# KiCad board Si5351ABreakout_panel.kicad_pcb (continued)
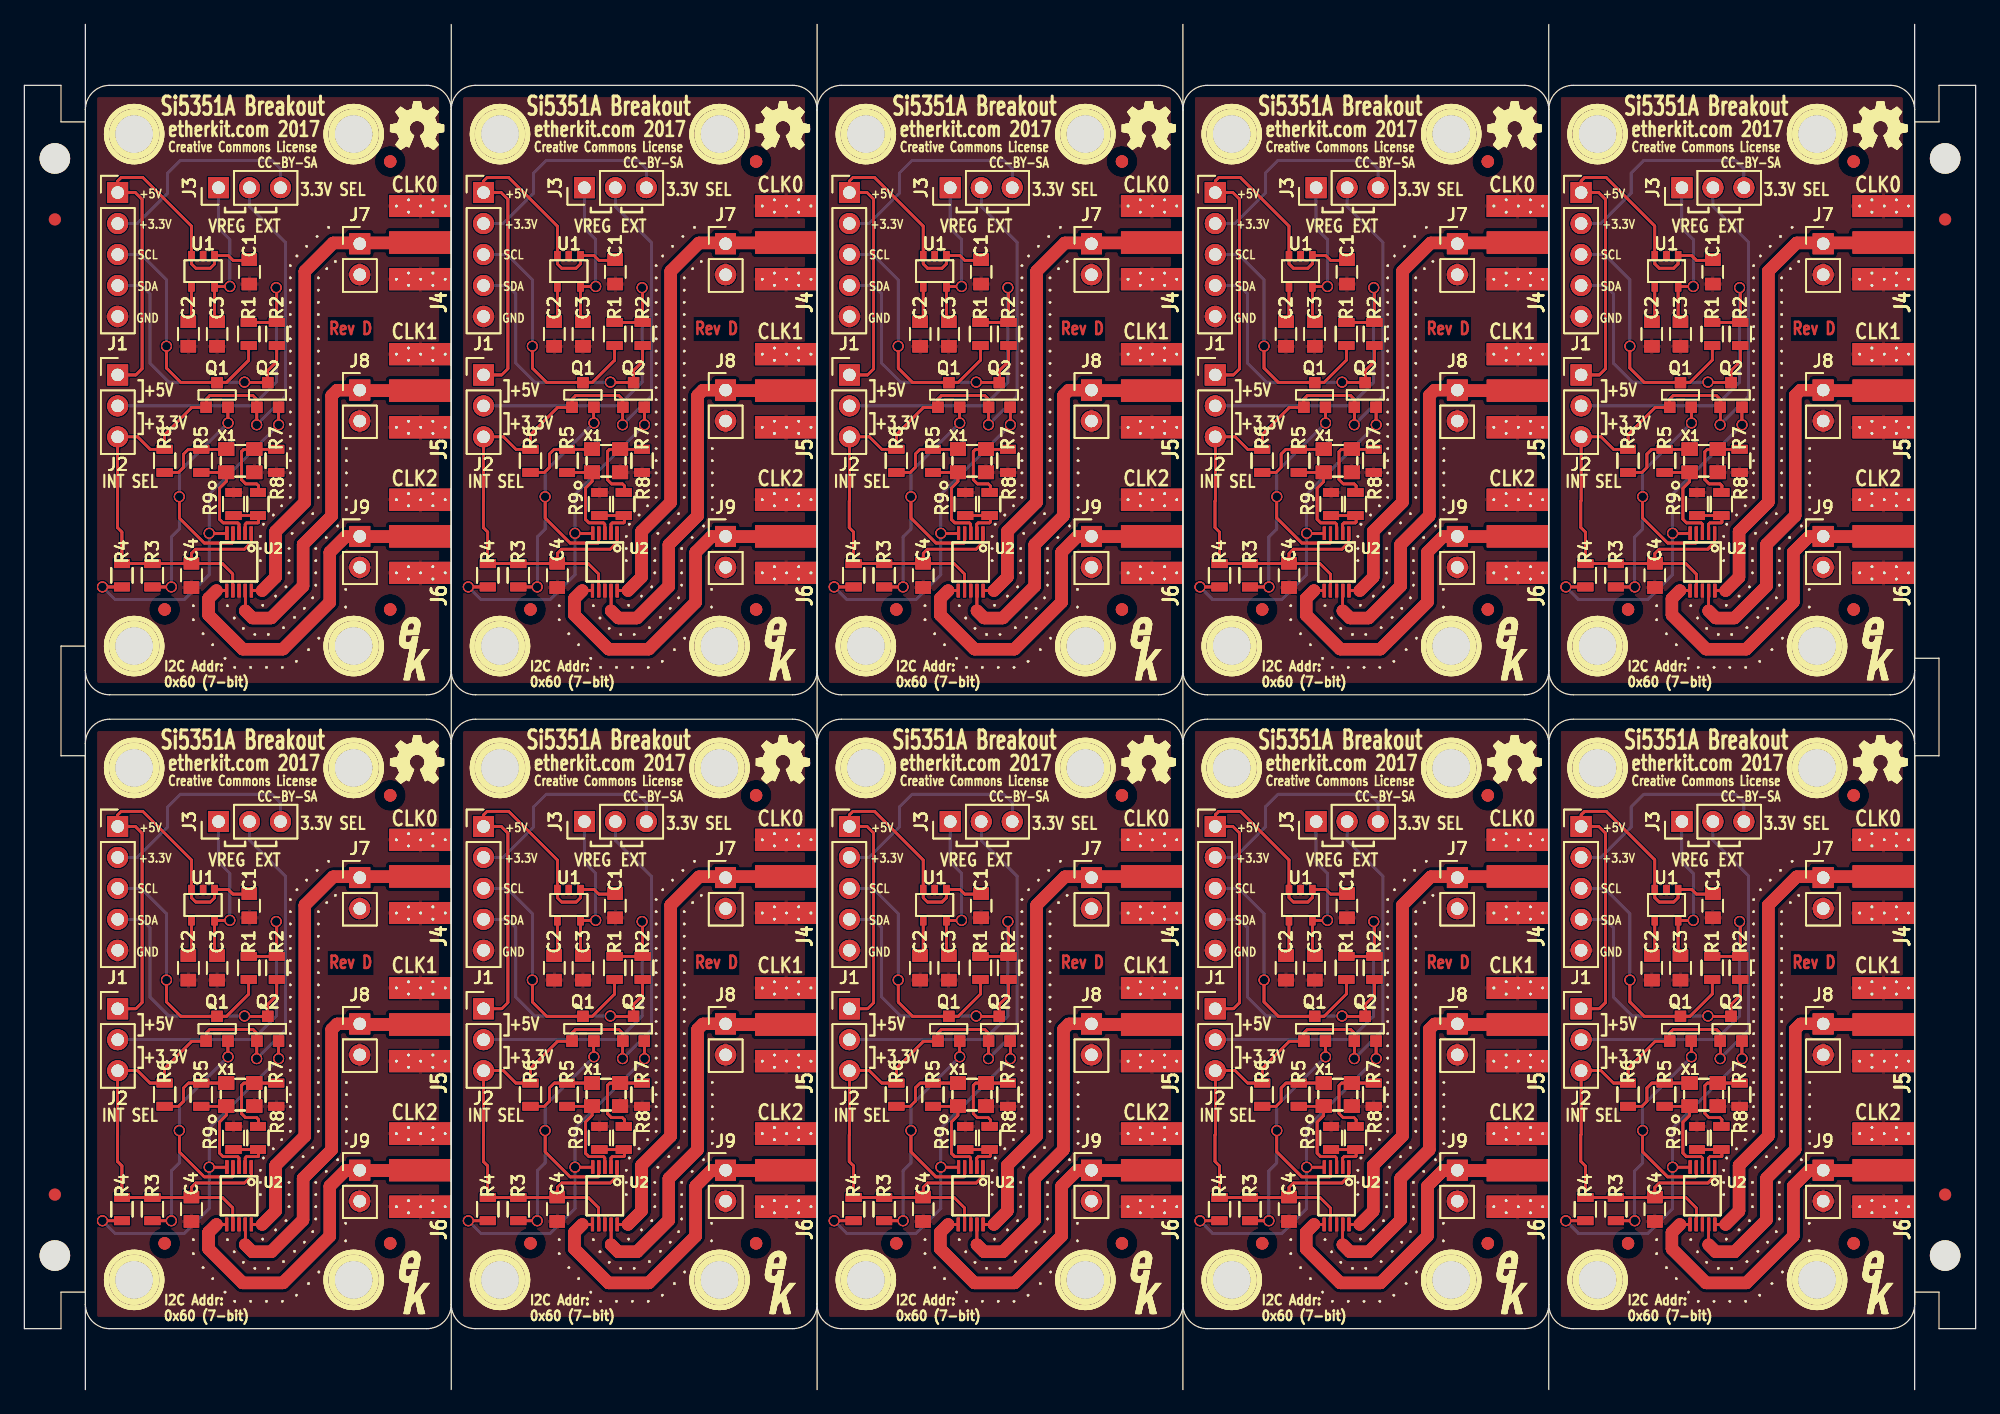
[diagram p0: board, top side]
## Nets (continued)
GND: 1PIN.1 1PIN#2.1 1PIN#3.1 1PIN#4.1 1PIN#5.1 1PIN#6.1 1PIN#7.1 1PIN#8.1 1PIN#9.1 1PIN#10.1 1PIN#11.1 1PIN#12.1 1PIN#13.1 1PIN#14.1 1PIN#15.1 1PIN#16.1 1PIN#17.1 1PIN#18.1 1PIN#19.1 1PIN#20.1 1PIN#21.1 1PIN#22.1 1PIN#23.1 1PIN#24.1 1PIN#25.1 1PIN#26.1 1PIN#27.1 1PIN#28.1 1PIN#29.1 1PIN#30.1 1PIN#31.1 1PIN#32.1 1PIN#33.1 1PIN#34.1 1PIN#35.1 1PIN#36.1 1PIN#37.1 1PIN#38.1 1PIN#39.1 1PIN#40.1 1PIN#41.1 1PIN#42.1 1PIN#43.1 1PIN#44.1 1PIN#45.1 1PIN#46.1 1PIN#47.1 1PIN#48.1 1PIN#49.1 1PIN#50.1 1PIN#51.1 1PIN#52.1 1PIN#53.1 1PIN#54.1 1PIN#55.1 1PIN#56.1 1PIN#57.1 1PIN#58.1 1PIN#59.1 1PIN#60.1 1PIN#61.1 1PIN#62.1 1PIN#63.1 1PIN#64.1 1PIN#65.1 1PIN#66.1 1PIN#67.1 1PIN#68.1 1PIN#69.1 1PIN#70.1 1PIN#71.1 1PIN#72.1 1PIN#73.1 1PIN#74.1 1PIN#75.1 1PIN#76.1 1PIN#77.1 1PIN#78.1 1PIN#79.1 1PIN#80.1 1PIN#81.1 1PIN#82.1 1PIN#83.1 1PIN#84.1 1PIN#85.1 1PIN#86.1 1PIN#87.1 1PIN#88.1 1PIN#89.1 1PIN#90.1 1PIN#91.1 1PIN#92.1 1PIN#93.1 1PIN#94.1 1PIN#95.1 1PIN#96.1 1PIN#97.1 1PIN#98.1 1PIN#99.1 1PIN#100.1 1PIN#101.1 1PIN#102.1 1PIN#103.1 1PIN#104.1 1PIN#105.1 1PIN#106.1 1PIN#107.1 1PIN#108.1 1PIN#109.1 1PIN#110.1 1PIN#111.1 1PIN#112.1 1PIN#113.1 1PIN#114.1 1PIN#115.1 1PIN#116.1 1PIN#117.1 1PIN#118.1 1PIN#119.1 1PIN#120.1 1PIN#121.1 1PIN#122.1 1PIN#123.1 1PIN#124.1 1PIN#125.1 1PIN#126.1 1PIN#127.1 1PIN#128.1 1PIN#129.1 1PIN#130.1 1PIN#131.1 1PIN#132.1 1PIN#133.1 1PIN#134.1 1PIN#135.1 1PIN#136.1 1PIN#137.1 1PIN#138.1 1PIN#139.1 1PIN#140.1 1PIN#141.1 1PIN#142.1 1PIN#143.1 1PIN#144.1 1PIN#145.1 1PIN#146.1 1PIN#147.1 1PIN#148.1 1PIN#149.1 1PIN#150.1 1PIN#151.1 1PIN#152.1 1PIN#153.1 1PIN#154.1 1PIN#155.1 1PIN#156.1 1PIN#157.1 1PIN#158.1 1PIN#159.1 1PIN#160.1 C1.2 C1#2.2 C1#3.2 C1#4.2 C1#5.2 C1#6.2 C1#7.2 C1#8.2 C1#9.2 C1#10.2 C1#11.2 C1#12.2 C1#13.2 C1#14.2 C1#15.2 C1#16.2 C1#17.2 C1#18.2 C1#19.2 C1#20.2 C1#21.2 C1#22.2 C1#23.2 C1#24.2 C1#25.2 C1#26.2 C1#27.2 C1#28.2 C1#29.2 C1#30.2 C1#31.2 C1#32.2 C1#33.2 C1#34.2 C1#35.2 C1#36.2 C1#37.2 C1#38.2 C1#39.2 C1#40.2 C2.2 C2#2.2 C2#3.2 C2#4.2 C2#5.2 C2#6.2 C2#7.2 C2#8.2 C2#9.2 C2#10.2 C2#11.2 C2#12.2 C2#13.2 C2#14.2 C2#15.2 C2#16.2 C2#17.2 C2#18.2 C2#19.2 C2#20.2 C2#21.2 C2#22.2 C2#23.2 C2#24.2 C2#25.2 C2#26.2 C2#27.2 C2#28.2 C2#29.2 C2#30.2 C2#31.2 C2#32.2 C2#33.2 C2#34.2 C2#35.2 C2#36.2 C2#37.2 C2#38.2 C2#39.2 C2#40.2 C3.2 C3#2.2 C3#3.2 C3#4.2 C3#5.2 C3#6.2 C3#7.2 C3#8.2 C3#9.2 C3#10.2 C3#11.2 C3#12.2 C3#13.2 C3#14.2 C3#15.2 C3#16.2 C3#17.2 C3#18.2 C3#19.2 C3#20.2 C3#21.2 C3#22.2 C3#23.2 C3#24.2 C3#25.2 C3#26.2 C3#27.2 C3#28.2 C3#29.2 C3#30.2 C3#31.2 C3#32.2 C3#33.2 C3#34.2 C3#35.2 C3#36.2 C3#37.2 C3#38.2 C3#39.2 C3#40.2 C4.2 C4#2.2 C4#3.2 C4#4.2 C4#5.2 C4#6.2 C4#7.2 C4#8.2 C4#9.2 C4#10.2 C4#11.2 C4#12.2 C4#13.2 C4#14.2 C4#15.2 C4#16.2 C4#17.2 C4#18.2 C4#19.2 C4#20.2 C4#21.2 C4#22.2 C4#23.2 C4#24.2 C4#25.2 C4#26.2 C4#27.2 C4#28.2 C4#29.2 C4#30.2 C4#31.2 C4#32.2 C4#33.2 C4#34.2 C4#35.2 C4#36.2 C4#37.2 C4#38.2 C4#39.2 C4#40.2 J1.5 J1#2.5 J1#3.5 J1#4.5 J1#5.5 J1#6.5 J1#7.5 J1#8.5 J1#9.5 J1#10.5 J1#11.5 J1#12.5 J1#13.5 J1#14.5 J1#15.5 J1#16.5 J1#17.5 J1#18.5 J1#19.5 J1#20.5 J1#21.5 J1#22.5 J1#23.5 J1#24.5 J1#25.5 J1#26.5 J1#27.5 J1#28.5 J1#29.5 J1#30.5 J1#31.5 J1#32.5 J1#33.5 J1#34.5 J1#35.5 J1#36.5 J1#37.5 J1#38.5 J1#39.5 J1#40.5 J4.2 J4#2.2 J4#3.2 J4#4.2 J4#5.2 J4#6.2 J4#7.2 J4#8.2 J4#9.2 J4#10.2 J4#11.2 J4#12.2 J4#13.2 J4#14.2 J4#15.2 J4#16.2 J4#17.2 J4#18.2 J4#19.2 J4#20.2 J4#21.2 J4#22.2 J4#23.2 J4#24.2 J4#25.2 J4#26.2 J4#27.2 J4#28.2 J4#29.2 J4#30.2 J4#31.2 J4#32.2 J4#33.2 J4#34.2 J4#35.2 J4#36.2 J4#37.2 J4#38.2 J4#39.2 J4#40.2 J5.2 J5#2.2 J5#3.2 J5#4.2 J5#5.2 J5#6.2 J5#7.2 J5#8.2 J5#9.2 J5#10.2 J5#11.2 J5#12.2 J5#13.2 J5#14.2 J5#15.2 J5#16.2 J5#17.2 J5#18.2 J5#19.2 J5#20.2 J5#21.2 J5#22.2 J5#23.2 J5#24.2 J5#25.2 J5#26.2 J5#27.2 J5#28.2 J5#29.2 J5#30.2 J5#31.2 J5#32.2 J5#33.2 J5#34.2 J5#35.2 J5#36.2 J5#37.2 J5#38.2 J5#39.2 J5#40.2 J6.2 J6#2.2 J6#3.2 J6#4.2 J6#5.2 J6#6.2 J6#7.2 J6#8.2 J6#9.2 J6#10.2 J6#11.2 J6#12.2 J6#13.2 J6#14.2 J6#15.2 J6#16.2 J6#17.2 J6#18.2 J6#19.2 J6#20.2 J6#21.2 J6#22.2 J6#23.2 J6#24.2 J6#25.2 J6#26.2 J6#27.2 J6#28.2 J6#29.2 J6#30.2 J6#31.2 J6#32.2 J6#33.2 J6#34.2 J6#35.2 J6#36.2 J6#37.2 J6#38.2 J6#39.2 J6#40.2 J7.2 J7#2.2 J7#3.2 J7#4.2 J7#5.2 J7#6.2 J7#7.2 J7#8.2 J7#9.2 J7#10.2 J7#11.2 J7#12.2 J7#13.2 J7#14.2 J7#15.2 J7#16.2 J7#17.2 J7#18.2 J7#19.2 J7#20.2 J7#21.2 J7#22.2 J7#23.2 J7#24.2 J7#25.2 J7#26.2 J7#27.2 J7#28.2 J7#29.2 J7#30.2 J7#31.2 J7#32.2 J7#33.2 J7#34.2 J7#35.2 J7#36.2 J7#37.2 J7#38.2 J7#39.2 J7#40.2 J8.2 J8#2.2 J8#3.2 J8#4.2 J8#5.2 J8#6.2 J8#7.2 J8#8.2 J8#9.2 J8#10.2 J8#11.2 J8#12.2 J8#13.2 J8#14.2 J8#15.2 J8#16.2 J8#17.2 J8#18.2 J8#19.2 J8#20.2 J8#21.2 J8#22.2 J8#23.2 J8#24.2 J8#25.2 J8#26.2 J8#27.2 J8#28.2 J8#29.2 J8#30.2 J8#31.2 J8#32.2 J8#33.2 J8#34.2 J8#35.2 J8#36.2 J8#37.2 J8#38.2 J8#39.2 J8#40.2 J9.2 J9#2.2 J9#3.2 J9#4.2 J9#5.2 J9#6.2 J9#7.2 J9#8.2 J9#9.2 J9#10.2 J9#11.2 J9#12.2 J9#13.2 J9#14.2 J9#15.2 J9#16.2 J9#17.2 J9#18.2 J9#19.2 J9#20.2 J9#21.2 J9#22.2 J9#23.2 J9#24.2 J9#25.2 J9#26.2 J9#27.2 J9#28.2 J9#29.2 J9#30.2 J9#31.2 J9#32.2 J9#33.2 J9#34.2 J9#35.2 J9#36.2 J9#37.2 J9#38.2 J9#39.2 J9#40.2 R7.2 R7#2.2 R7#3.2 R7#4.2 R7#5.2 R7#6.2 R7#7.2 R7#8.2 R7#9.2 R7#10.2 R7#11.2 R7#12.2 R7#13.2 R7#14.2 R7#15.2 R7#16.2 R7#17.2 R7#18.2 R7#19.2 R7#20.2 R7#21.2 R7#22.2 R7#23.2 R7#24.2 R7#25.2 R7#26.2 R7#27.2 R7#28.2 R7#29.2 R7#30.2 R7#31.2 R7#32.2 R7#33.2 R7#34.2 R7#35.2 R7#36.2 R7#37.2 R7#38.2 R7#39.2 R7#40.2 R9.2 R9#2.2 R9#3.2 R9#4.2 R9#5.2 R9#6.2 R9#7.2 R9#8.2 R9#9.2 R9#10.2 R9#11.2 R9#12.2 R9#13.2 R9#14.2 R9#15.2 R9#16.2 R9#17.2 R9#18.2 R9#19.2 R9#20.2 R9#21.2 R9#22.2 R9#23.2 R9#24.2 R9#25.2 R9#26.2 R9#27.2 R9#28.2 R9#29.2 R9#30.2 R9#31.2 R9#32.2 R9#33.2 R9#34.2 R9#35.2 R9#36.2 R9#37.2 R9#38.2 R9#39.2 R9#40.2 U1.2 U1#2.2 U1#3.2 U1#4.2 U1#5.2 U1#6.2 U1#7.2 U1#8.2 U1#9.2 U1#10.2 U1#11.2 U1#12.2 U1#13.2 U1#14.2 U1#15.2 U1#16.2 U1#17.2 U1#18.2 U1#19.2 U1#20.2 U1#21.2 U1#22.2 U1#23.2 U1#24.2 U1#25.2 U1#26.2 U1#27.2 U1#28.2 U1#29.2 U1#30.2 U1#31.2 U1#32.2 U1#33.2 U1#34.2 U1#35.2 U1#36.2 U1#37.2 U1#38.2 U1#39.2 U1#40.2 U2.8 U2#2.8 U2#3.8 U2#4.8 U2#5.8 U2#6.8 U2#7.8 U2#8.8 U2#9.8 U2#10.8 U2#11.8 U2#12.8 U2#13.8 U2#14.8 U2#15.8 U2#16.8 U2#17.8 U2#18.8 U2#19.8 U2#20.8 U2#21.8 U2#22.8 U2#23.8 U2#24.8 U2#25.8 U2#26.8 U2#27.8 U2#28.8 U2#29.8 U2#30.8 U2#31.8 U2#32.8 U2#33.8 U2#34.8 U2#35.8 U2#36.8 U2#37.8 U2#38.8 U2#39.8 U2#40.8 VIA. VIA#2. VIA#3. VIA#4. VIA#5. VIA#6. VIA#7. VIA#8. VIA#9. VIA#10. VIA#11. VIA#12. VIA#13. VIA#14. VIA#15. VIA#16. VIA#17. VIA#18. VIA#19. VIA#20. VIA#21. VIA#22. VIA#23. VIA#24. VIA#25. VIA#26. VIA#27. VIA#28. VIA#29. VIA#30. VIA#31. VIA#32. VIA#33. VIA#34. VIA#35. VIA#36. VIA#37. VIA#38. VIA#39. VIA#40. VIA#41. VIA#42. VIA#43. VIA#44. VIA#45. VIA#46. VIA#47. VIA#48. VIA#49. VIA#50. VIA#51. VIA#52. VIA#53. VIA#54. VIA#55. VIA#56. VIA#57. VIA#58. VIA#59. VIA#60. VIA#61. VIA#62. VIA#63. VIA#64. VIA#65. VIA#66. VIA#67. VIA#68. VIA#69. VIA#70. VIA#71. VIA#72. VIA#73. VIA#74. VIA#75. VIA#76. VIA#77. VIA#78. VIA#79. VIA#80. VIA#81. VIA#82. VIA#83. VIA#84. VIA#85. VIA#86. VIA#87. VIA#88. VIA#89. VIA#90. VIA#91. VIA#92. VIA#93. VIA#94. VIA#95. VIA#96. VIA#97. VIA#98. VIA#99. VIA#100. VIA#101. VIA#102. VIA#103. VIA#104. VIA#105. VIA#106. VIA#107. VIA#108. VIA#109. VIA#110. VIA#111. VIA#112. VIA#113. VIA#114. VIA#115. VIA#116. VIA#117. VIA#118. VIA#119. VIA#120. VIA#121. VIA#122. VIA#123. VIA#124. VIA#125. VIA#126. VIA#127. VIA#128. VIA#129. VIA#130. VIA#131. VIA#132. VIA#133. VIA#134. VIA#135. VIA#136. VIA#137. VIA#138. VIA#139. VIA#140. VIA#141. VIA#142. VIA#143. VIA#144. VIA#145. VIA#146. VIA#147. VIA#148. VIA#149. VIA#150. VIA#151. VIA#152. VIA#153. VIA#154. VIA#155. VIA#156. VIA#157. VIA#158. VIA#159. VIA#160. VIA#161. VIA#162. VIA#163. VIA#164. VIA#165. VIA#166. VIA#167. VIA#168. VIA#169. VIA#170. VIA#171. VIA#172. VIA#173. VIA#174. VIA#175. VIA#176. VIA#177. VIA#178. VIA#179. VIA#180. VIA#181. VIA#182. VIA#183. VIA#184. VIA#185. VIA#186. VIA#187. VIA#188. VIA#189. VIA#190. VIA#191. VIA#192. VIA#193. VIA#194. VIA#195. VIA#196. VIA#197. VIA#198. VIA#199. VIA#200. VIA#201. VIA#202. VIA#203. VIA#204. VIA#205. VIA#206. VIA#207. VIA#208. VIA#209. VIA#210. VIA#211. VIA#212. VIA#213. VIA#214. VIA#215. VIA#216. VIA#217. VIA#218. VIA#219. VIA#220. VIA#221. VIA#222. VIA#223. VIA#224. VIA#225. VIA#226. VIA#227. VIA#228. VIA#229. VIA#230. VIA#231. VIA#232. VIA#233. VIA#234. VIA#235. VIA#236. VIA#237. VIA#238. VIA#239. VIA#240. VIA#241. VIA#242. VIA#243. VIA#244. VIA#245. VIA#246. VIA#247. VIA#248. VIA#249. VIA#250. VIA#251. VIA#252. VIA#253. VIA#254. VIA#255. VIA#256. VIA#257. VIA#258. VIA#259. VIA#260. VIA#261. VIA#262. VIA#263. VIA#264. VIA#265. VIA#266. VIA#267. VIA#268. VIA#269. VIA#270. VIA#271. VIA#272. VIA#273. VIA#274. VIA#275. VIA#276. VIA#277. VIA#278. VIA#279. VIA#280. VIA#281. VIA#282. VIA#283. VIA#284. VIA#285. VIA#286. VIA#287. VIA#288. VIA#289. VIA#290. VIA#291. VIA#292. VIA#293. VIA#294. VIA#295. VIA#296. VIA#297. VIA#298. VIA#299. VIA#300. VIA#301. VIA#302. VIA#303. VIA#304. VIA#305. VIA#306. VIA#307. VIA#308. VIA#309. VIA#310. VIA#311. VIA#312. VIA#313. VIA#314. VIA#315. VIA#316. VIA#317. VIA#318. VIA#319. VIA#320. VIA#321. VIA#322. VIA#323. VIA#324. VIA#325. VIA#326. VIA#327. VIA#328. VIA#329. VIA#330. VIA#331. VIA#332. VIA#333. VIA#334. VIA#335. VIA#336. VIA#337. VIA#338. VIA#339. VIA#340. VIA#341. VIA#342. VIA#343. VIA#344. VIA#345. VIA#346. VIA#347. VIA#348. VIA#349. VIA#350. VIA#351. VIA#352. VIA#353. VIA#354. VIA#355. VIA#356. VIA#357. VIA#358. VIA#359. VIA#360. VIA#361. VIA#362. VIA#363. VIA#364. VIA#365. VIA#366. VIA#367. VIA#368. VIA#369. VIA#370. VIA#371. VIA#372. VIA#373. VIA#374. VIA#375. VIA#376. VIA#377. VIA#378. VIA#379. VIA#380. VIA#381. VIA#382. VIA#383. VIA#384. VIA#385. VIA#386. VIA#387. VIA#388. VIA#389. VIA#390. VIA#391. VIA#392. VIA#393. VIA#394. VIA#395. VIA#396. VIA#397. VIA#398. VIA#399. VIA#400. VIA#401. VIA#402. VIA#403. VIA#404. VIA#405. VIA#406. VIA#407. VIA#408. VIA#409. VIA#410. VIA#411. VIA#412. VIA#413. VIA#414. VIA#415. VIA#416. VIA#417. VIA#418. VIA#419. VIA#420. VIA#421. VIA#422. VIA#423. VIA#424. VIA#425. VIA#426. VIA#427. VIA#428. VIA#429. VIA#430. VIA#431. VIA#432. VIA#433. VIA#434. VIA#435. VIA#436. VIA#437. VIA#438. VIA#439. VIA#440. VIA#441. VIA#442. VIA#443. VIA#444. VIA#445. VIA#446. VIA#447. VIA#448. VIA#449. VIA#450. VIA#451. VIA#452. VIA#453. VIA#454. VIA#455. VIA#456. VIA#457. VIA#458. VIA#459. VIA#460. VIA#461. VIA#462. VIA#463. VIA#464. VIA#465. VIA#466. VIA#467. VIA#468. VIA#469. VIA#470. VIA#471. VIA#472. VIA#473. VIA#474. VIA#475. VIA#476. VIA#477. VIA#478. VIA#479. VIA#480. VIA#481. VIA#482. VIA#483. VIA#484. VIA#485. VIA#486. VIA#487. VIA#488. VIA#489. VIA#490. VIA#491. VIA#492. VIA#493. VIA#494. VIA#495. VIA#496. VIA#497. VIA#498. VIA#499. VIA#500. VIA#501. VIA#502. VIA#503. VIA#504. VIA#505. VIA#506. VIA#507. VIA#508. VIA#509. VIA#510. VIA#511. VIA#512. VIA#513. VIA#514. VIA#515. VIA#516. VIA#517. VIA#518. VIA#519. VIA#520. VIA#521. VIA#522. VIA#523. VIA#524. VIA#525. VIA#526. VIA#527. VIA#528. VIA#529. VIA#530. VIA#531. VIA#532. VIA#533. VIA#534. VIA#535. VIA#536. VIA#537. VIA#538. VIA#539. VIA#540. VIA#541. VIA#542. VIA#543. VIA#544. VIA#545. VIA#546. VIA#547. VIA#548. VIA#549. VIA#550. VIA#551. VIA#552. VIA#553. VIA#554. VIA#555. VIA#556. VIA#557. VIA#558. VIA#559. VIA#560. VIA#561. VIA#562. VIA#563. VIA#564. VIA#565. VIA#566. VIA#567. VIA#568. VIA#569. VIA#570. VIA#571. VIA#572. VIA#573. VIA#574. VIA#575. VIA#576. VIA#577. VIA#578. VIA#579. VIA#580. VIA#581. VIA#582. VIA#583. VIA#584. VIA#585. VIA#586. VIA#587. VIA#588. VIA#589. VIA#590. VIA#591. VIA#592. VIA#593. VIA#594. VIA#595. VIA#596. VIA#597. VIA#598. VIA#599. VIA#600. VIA#601. VIA#602. VIA#603. VIA#604. VIA#605. VIA#606. VIA#607. VIA#608. VIA#609. VIA#610. VIA#611. VIA#612. VIA#613. VIA#614. VIA#615. VIA#616. VIA#617. VIA#618. VIA#619. VIA#620. VIA#621. VIA#622. VIA#623. VIA#624. VIA#625. VIA#626. VIA#627. VIA#628. VIA#629. VIA#630. VIA#631. VIA#632. VIA#633. VIA#634. VIA#635. VIA#636. VIA#637. VIA#638. VIA#639. VIA#640. VIA#641. VIA#642. VIA#643. VIA#644. VIA#645. VIA#646. VIA#647. VIA#648. VIA#649. VIA#650. VIA#651. VIA#652. VIA#653. VIA#654. VIA#655. VIA#656. VIA#657. VIA#658. VIA#659. VIA#660. VIA#661. VIA#662. VIA#663. VIA#664. VIA#665. VIA#666. VIA#667. VIA#668. VIA#669. VIA#670. VIA#671. VIA#672. VIA#673. VIA#674. VIA#675. VIA#676. VIA#677. VIA#678. VIA#679. VIA#680. VIA#681. VIA#682. VIA#683. VIA#684. VIA#685. VIA#686. VIA#687. VIA#688. VIA#689. VIA#690. VIA#691. VIA#692. VIA#693. VIA#694. VIA#695. VIA#696. VIA#697. VIA#698. VIA#699. VIA#700. VIA#701. VIA#702. VIA#703. VIA#704. VIA#705. VIA#706. VIA#707. VIA#708. VIA#709. VIA#710. VIA#711. VIA#712. VIA#713. VIA#714. VIA#715. VIA#716. VIA#717. VIA#718. VIA#719. VIA#720. VIA#721. VIA#722. VIA#723. VIA#724. VIA#725. VIA#726. VIA#727. VIA#728. VIA#729. VIA#730. VIA#731. VIA#732. VIA#733. VIA#734. VIA#735. VIA#736. VIA#737. VIA#738. VIA#739. VIA#740. VIA#741. VIA#742. VIA#743. VIA#744. VIA#745. VIA#746. VIA#747. VIA#748. VIA#749. VIA#750. VIA#751. VIA#752. VIA#753. VIA#754. VIA#755. VIA#756. VIA#757. VIA#758. VIA#759. VIA#760. VIA#761. VIA#762. VIA#763. VIA#764. VIA#765. VIA#766. VIA#767. VIA#768. VIA#769. VIA#770. VIA#771. VIA#772. VIA#773. VIA#774. VIA#775. VIA#776. VIA#777. VIA#778. VIA#779. VIA#780. VIA#781. VIA#782. VIA#783. VIA#784. VIA#785. VIA#786. VIA#787. VIA#788. VIA#789. VIA#790. VIA#791. VIA#792. VIA#793. VIA#794. VIA#795. VIA#796. VIA#797. VIA#798. VIA#799. VIA#800. VIA#801. VIA#802. VIA#803. VIA#804. VIA#805. VIA#806. VIA#807. VIA#808. VIA#809. VIA#810. VIA#811. VIA#812. VIA#813. VIA#814. VIA#815. VIA#816. VIA#817. VIA#818. VIA#819. VIA#820. VIA#821. VIA#822. VIA#823. VIA#824. VIA#825. VIA#826. VIA#827. VIA#828. VIA#829. VIA#830. VIA#831. VIA#832. VIA#833. VIA#834. VIA#835. VIA#836. VIA#837. VIA#838. VIA#839. VIA#840. VIA#841. VIA#842. VIA#843. VIA#844. VIA#845. VIA#846. VIA#847. VIA#848. VIA#849. VIA#850. VIA#851. VIA#852. VIA#853. VIA#854. VIA#855. VIA#856. VIA#857. VIA#858. VIA#859. VIA#860. VIA#861. VIA#862. VIA#863. VIA#864. VIA#865. VIA#866. VIA#867. VIA#868. VIA#869. VIA#870. VIA#871. VIA#872. VIA#873. VIA#874. VIA#875. VIA#876. VIA#877. VIA#878. VIA#879. VIA#880. VIA#881. VIA#882. VIA#883. VIA#884. VIA#885. VIA#886. VIA#887. VIA#888. VIA#889. VIA#890. VIA#891. VIA#892. VIA#893. VIA#894. VIA#895. VIA#896. VIA#897. VIA#898. VIA#899. VIA#900. VIA#901. VIA#902. VIA#903. VIA#904. VIA#905. VIA#906. VIA#907. VIA#908. VIA#909. VIA#910. VIA#911. VIA#912. VIA#913. VIA#914. VIA#915. VIA#916. VIA#917. VIA#918. VIA#919. VIA#920. VIA#921. VIA#922. VIA#923. VIA#924. VIA#925. VIA#926. VIA#927. VIA#928. VIA#929. VIA#930. VIA#931. VIA#932. VIA#933. VIA#934. VIA#935. VIA#936. VIA#937. VIA#938. VIA#939. VIA#940. VIA#941. VIA#942. VIA#943. VIA#944. VIA#945. VIA#946. VIA#947. VIA#948. VIA#949. VIA#950. VIA#951. VIA#952. VIA#953. VIA#954. VIA#955. VIA#956. VIA#957. VIA#958. VIA#959. VIA#960. VIA#961. VIA#962. VIA#963. VIA#964. VIA#965. VIA#966. VIA#967. VIA#968. VIA#969. VIA#970. VIA#971. VIA#972. VIA#973. VIA#974. VIA#975. VIA#976. VIA#977. VIA#978. VIA#979. VIA#980. VIA#981. VIA#982. VIA#983. VIA#984. VIA#985. VIA#986. VIA#987. VIA#988. VIA#989. VIA#990. VIA#991. VIA#992. VIA#993. VIA#994. VIA#995. VIA#996. VIA#997. VIA#998. VIA#999. VIA#1000. VIA#1001. VIA#1002. VIA#1003. VIA#1004. VIA#1005. VIA#1006. VIA#1007. VIA#1008. VIA#1009. VIA#1010. VIA#1011. VIA#1012. VIA#1013. VIA#1014. VIA#1015. VIA#1016. VIA#1017. VIA#1018. VIA#1019. VIA#1020. VIA#1021. VIA#1022. VIA#1023. VIA#1024. VIA#1025. VIA#1026. VIA#1027. VIA#1028. VIA#1029. VIA#1030. VIA#1031. VIA#1032. VIA#1033. VIA#1034. VIA#1035. VIA#1036. VIA#1037. VIA#1038. VIA#1039. VIA#1040. VIA#1041. VIA#1042. VIA#1043. VIA#1044. VIA#1045. VIA#1046. VIA#1047. VIA#1048. VIA#1049. VIA#1050. VIA#1051. VIA#1052. VIA#1053. VIA#1054. VIA#1055. VIA#1056. VIA#1057. VIA#1058. VIA#1059. VIA#1060. VIA#1061. VIA#1062. VIA#1063. VIA#1064. VIA#1065. VIA#1066. VIA#1067. VIA#1068. VIA#1069. VIA#1070. VIA#1071. VIA#1072. VIA#1073. VIA#1074. VIA#1075. VIA#1076. VIA#1077. VIA#1078. VIA#1079. VIA#1080. VIA#1081. VIA#1082. VIA#1083. VIA#1084. VIA#1085. VIA#1086. VIA#1087. VIA#1088. VIA#1089. VIA#1090. VIA#1091. VIA#1092. VIA#1093. VIA#1094. VIA#1095. VIA#1096. VIA#1097. VIA#1098. VIA#1099. VIA#1100. VIA#1101. VIA#1102. VIA#1103. VIA#1104. VIA#1105. VIA#1106. VIA#1107. VIA#1108. VIA#1109. VIA#1110. VIA#1111. VIA#1112. VIA#1113. VIA#1114. VIA#1115. VIA#1116. VIA#1117. VIA#1118. VIA#1119. VIA#1120. VIA#1121. VIA#1122. VIA#1123. VIA#1124. VIA#1125. VIA#1126. VIA#1127. VIA#1128. VIA#1129. VIA#1130. VIA#1131. VIA#1132. VIA#1133. VIA#1134. VIA#1135. VIA#1136. VIA#1137. VIA#1138. VIA#1139. VIA#1140. VIA#1141. VIA#1142. VIA#1143. VIA#1144. VIA#1145. VIA#1146. VIA#1147. VIA#1148. VIA#1149. VIA#1150. VIA#1151. VIA#1152. VIA#1153. VIA#1154. VIA#1155. VIA#1156. VIA#1157. VIA#1158. VIA#1159. VIA#1160. VIA#1161. VIA#1162. VIA#1163. VIA#1164. VIA#1165. VIA#1166. VIA#1167. VIA#1168. VIA#1169. VIA#1170. VIA#1171. VIA#1172. VIA#1173. VIA#1174. VIA#1175. VIA#1176. VIA#1177. VIA#1178. VIA#1179. VIA#1180. VIA#1181. VIA#1182. VIA#1183. VIA#1184. VIA#1185. VIA#1186. VIA#1187. VIA#1188. VIA#1189. VIA#1190. VIA#1191. VIA#1192. VIA#1193. VIA#1194. VIA#1195. VIA#1196. VIA#1197. VIA#1198. VIA#1199. VIA#1200. VIA#1201. VIA#1202. VIA#1203. VIA#1204. VIA#1205. VIA#1206. VIA#1207. VIA#1208. VIA#1209. VIA#1210. VIA#1211. VIA#1212. VIA#1213. VIA#1214. VIA#1215. VIA#1216. VIA#1217. VIA#1218. VIA#1219. VIA#1220. VIA#1221. VIA#1222. VIA#1223. VIA#1224. VIA#1225. VIA#1226. VIA#1227. VIA#1228. VIA#1229. VIA#1230. VIA#1231. VIA#1232. VIA#1233. VIA#1234. VIA#1235. VIA#1236. VIA#1237. VIA#1238. VIA#1239. VIA#1240. VIA#1241. VIA#1242. VIA#1243. VIA#1244. VIA#1245. VIA#1246. VIA#1247. VIA#1248. VIA#1249. VIA#1250. VIA#1251. VIA#1252. VIA#1253. VIA#1254. VIA#1255. VIA#1256. VIA#1257. VIA#1258. VIA#1259. VIA#1260. VIA#1261. VIA#1262. VIA#1263. VIA#1264. VIA#1265. VIA#1266. VIA#1267. VIA#1268. VIA#1269. VIA#1270. VIA#1271. VIA#1272. VIA#1273. VIA#1274. VIA#1275. VIA#1276. VIA#1277. VIA#1278. VIA#1279. VIA#1280. VIA#1281. VIA#1282. VIA#1283. VIA#1284. VIA#1285. VIA#1286. VIA#1287. VIA#1288. VIA#1289. VIA#1290. VIA#1291. VIA#1292. VIA#1293. VIA#1294. VIA#1295. VIA#1296. VIA#1297. VIA#1298. VIA#1299. VIA#1300. VIA#1301. VIA#1302. VIA#1303. VIA#1304. VIA#1305. VIA#1306. VIA#1307. VIA#1308. VIA#1309. VIA#1310. VIA#1311. VIA#1312. VIA#1313. VIA#1314. VIA#1315. VIA#1316. VIA#1317. VIA#1318. VIA#1319. VIA#1320. VIA#1321. VIA#1322. VIA#1323. VIA#1324. VIA#1325. VIA#1326. VIA#1327. VIA#1328. VIA#1329. VIA#1330. VIA#1331. VIA#1332. VIA#1333. VIA#1334. VIA#1335. VIA#1336. VIA#1337. VIA#1338. VIA#1339. VIA#1340. VIA#1341. VIA#1342. VIA#1343. VIA#1344. VIA#1345. VIA#1346. VIA#1347. VIA#1348. VIA#1349. VIA#1350. VIA#1351. VIA#1352. VIA#1353. VIA#1354. VIA#1355. VIA#1356. VIA#1357. VIA#1358. VIA#1359. VIA#1360. VIA#1361. VIA#1362. VIA#1363. VIA#1364. VIA#1365. VIA#1366. VIA#1367. VIA#1368. VIA#1369. VIA#1370. VIA#1371. VIA#1372. VIA#1373. VIA#1374. VIA#1375. VIA#1376. VIA#1377. VIA#1378. VIA#1379. VIA#1380. VIA#1381. VIA#1382. VIA#1383. VIA#1384. VIA#1385. VIA#1386. VIA#1387. VIA#1388. VIA#1389. VIA#1390. VIA#1391. VIA#1392. VIA#1393. VIA#1394. VIA#1395. VIA#1396. VIA#1397. VIA#1398. VIA#1399. VIA#1400. VIA#1401. VIA#1402. VIA#1403. VIA#1404. VIA#1405. VIA#1406. VIA#1407. VIA#1408. VIA#1409. VIA#1410. VIA#1411. VIA#1412. VIA#1413. VIA#1414. VIA#1415. VIA#1416. VIA#1417. VIA#1418. VIA#1419. VIA#1420. VIA#1421. VIA#1422. VIA#1423. VIA#1424. VIA#1425. VIA#1426. VIA#1427. VIA#1428. VIA#1429. VIA#1430. VIA#1431. VIA#1432. VIA#1433. VIA#1434. VIA#1435. VIA#1436. VIA#1437. VIA#1438. VIA#1439. VIA#1440. VIA#1441. VIA#1442. VIA#1443. VIA#1444. VIA#1445. VIA#1446. VIA#1447. VIA#1448. VIA#1449. VIA#1450. VIA#1451. VIA#1452. VIA#1453. VIA#1454. VIA#1455. VIA#1456. VIA#1457. VIA#1458. VIA#1459. VIA#1460. VIA#1461. VIA#1462. VIA#1463. VIA#1464. VIA#1465. VIA#1466. VIA#1467. VIA#1468. VIA#1469. VIA#1470. VIA#1471. VIA#1472. VIA#1473. VIA#1474. VIA#1475. VIA#1476. VIA#1477. VIA#1478. VIA#1479. VIA#1480. VIA#1481. VIA#1482.